# Altium PCB LimeNet-Micro_2v0.PcbDoc (part 7 of 11)
Units mm, origin at the board's own origin, x right, y up, seen from the top; angles counter-clockwise.
Board outline 75 x 143 mm, 6 copper layers (Top, L2, L3, L4, L5, Bottom), stack 1.583 mm thick; 781 components, 551 nets, 3551 pads, 1336 vias.
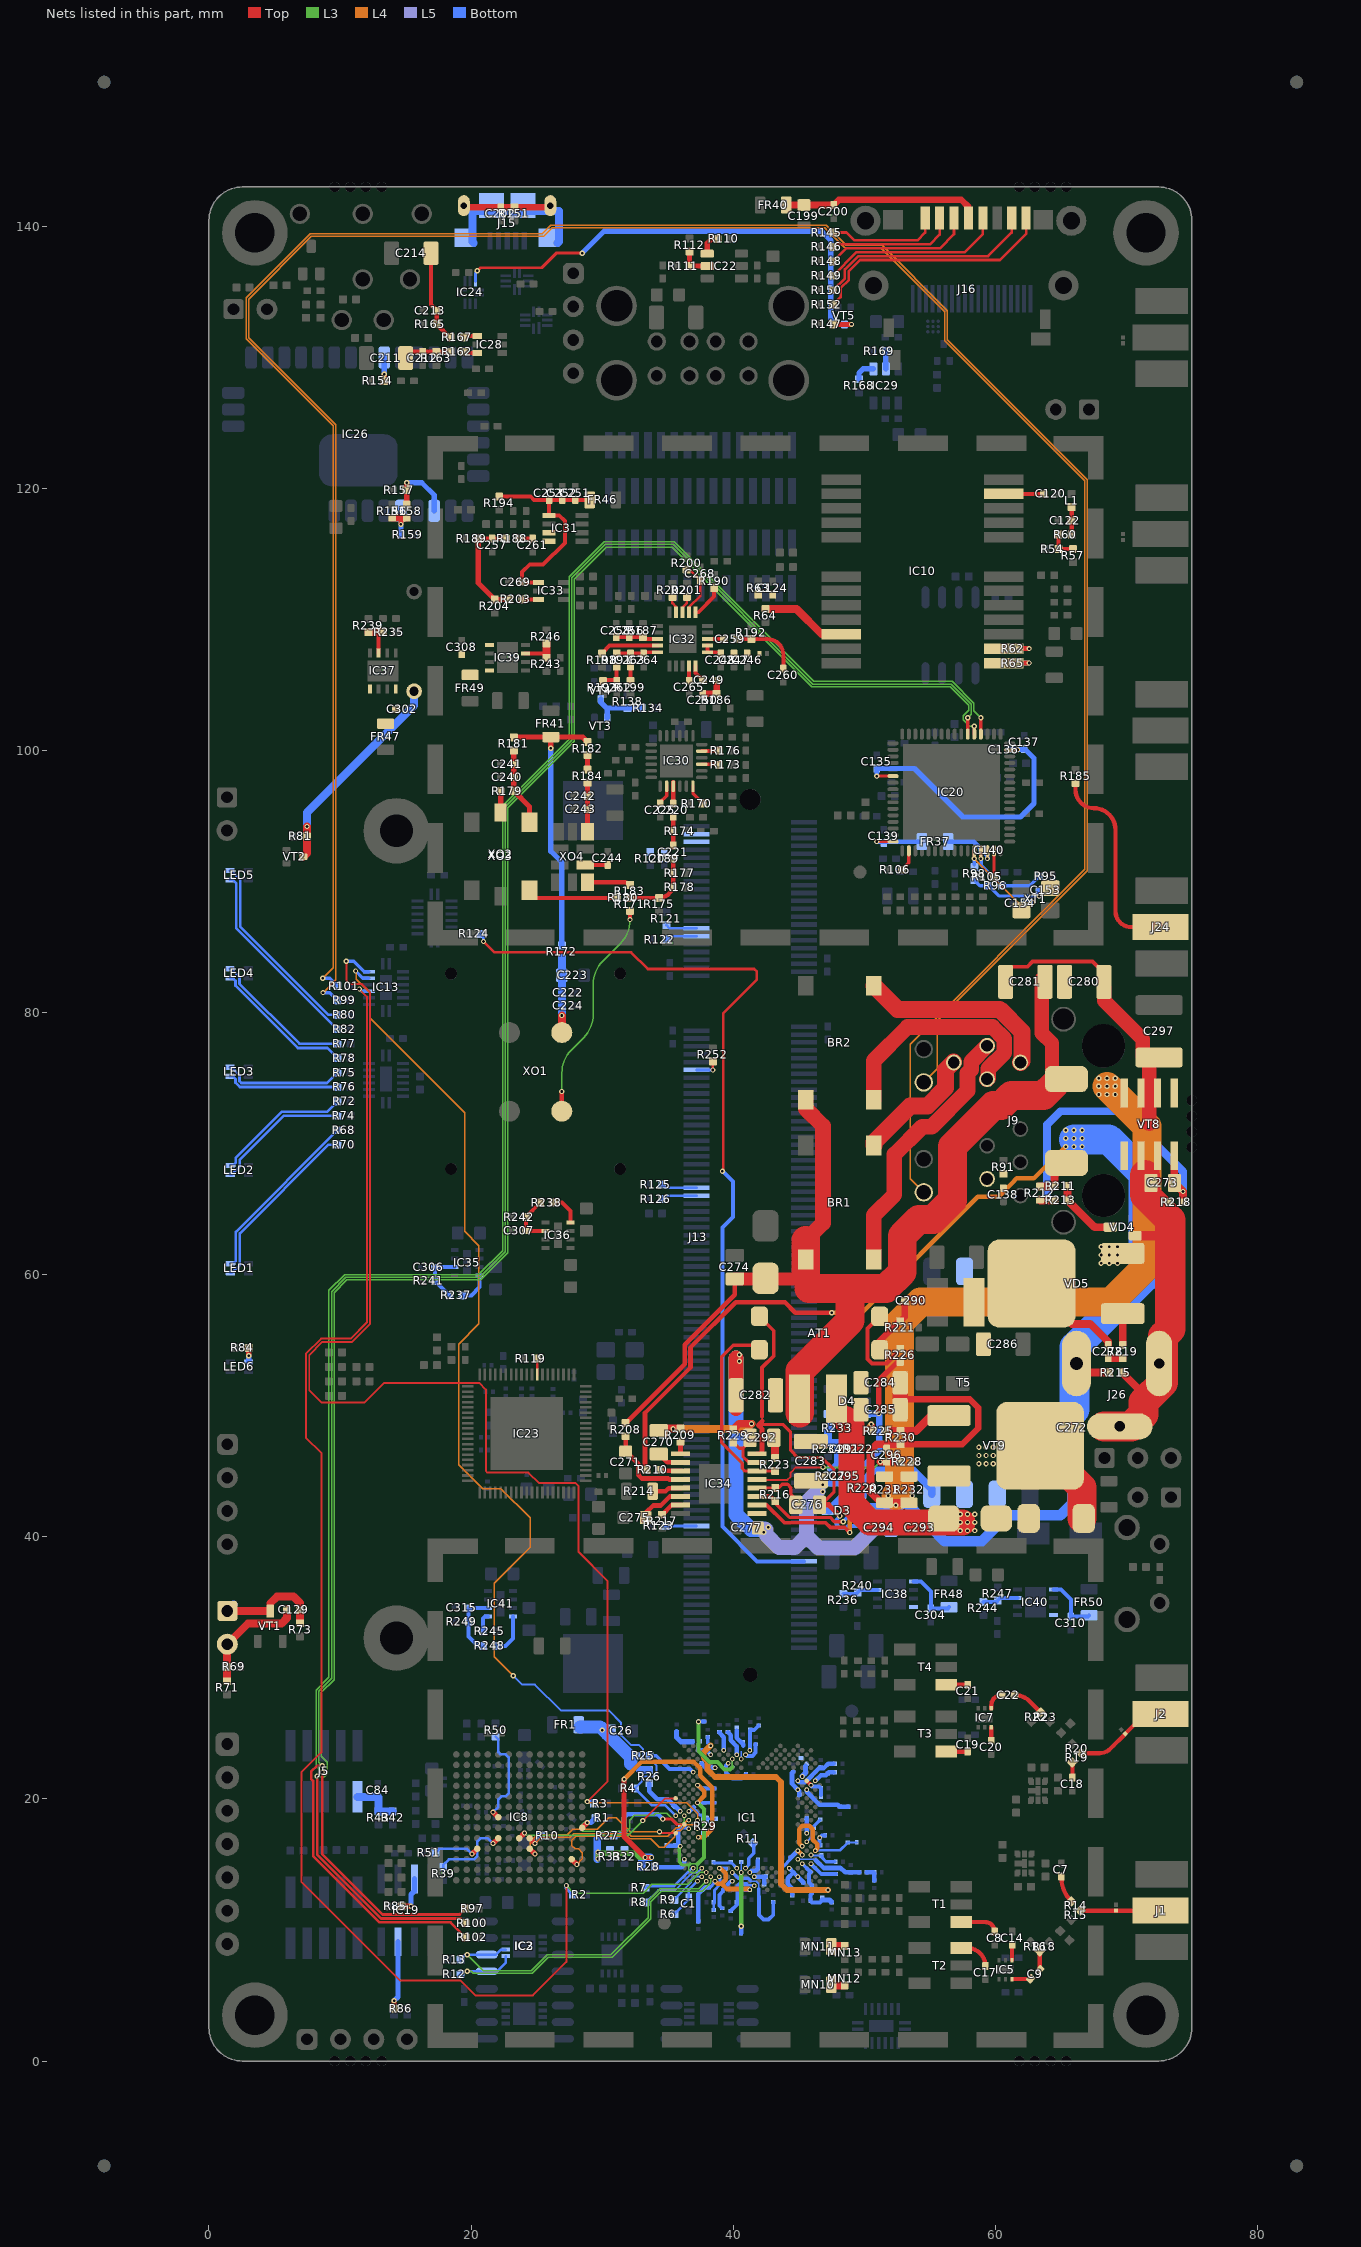
[diagram p11: the nets of this part, all layers, seen from the top]

## Via types
v1: diameter 0.4, hole 0.2, Top to Bottom, tented both sides, 1190 vias
v2: diameter 0.35, hole 0.2, Top to Bottom, tented both sides, 98 vias
v3: diameter 0.5, hole 0.2, Top to Bottom, tented bottom, 25 vias
v4: diameter 0.5, hole 0.2, Top to Bottom, tented both sides, 12 vias
v5: diameter 0.8, hole 0.4, Top to Bottom, tented both sides, 5 vias
v6: diameter 0.4, hole 0.2, Top to Bottom, tented top, 4 vias
v7: diameter 0.4, hole 0.2, Top to Bottom, tented bottom, 2 vias

## Nets (pads, with @x,y where several pads share a name; then routed paths per layer and width w, separated by ;. In a path a pad name is that pad's centre, name@x,y a point inside that pad or via, vN(x,y) a via of type N, cw(c..) or ccw(c..) an arc to the next point about the centre after c; other vN are vias at no path point) (continued)
LMS_FCLK2: IC1.R29 IC8.M3 | length 14.3
  Top w0.4: IC8.M3@27.672,15.394 v1(28.072,14.994)
  L4 w0.1: v1(28.072,14.994) 28.497,15.419 28.497,15.894 28.197,16.194 27.947,16.194 27.697,16.444 27.697,16.844 27.997,17.144 31.931,17.144 32.123,16.952 33.714,16.952 34.372,16.294 34.722,16.294 35.556,17.127 35.556,17.41 35.729,17.583 35.971,17.583 36.429,18.041 37.158,18.041 37.278,17.921 v2(37.278,17.716)
LMS_I2C_SCL: IC1.C27 IC2.6 IC3.6 R13.2 | length 26.1
  L3 w0.1: v1@19.71,8.125 v1(19.7,8.115) 20.92,6.895 24.587,6.895 25.817,8.125 30.675,8.125 33.5,10.95 33.5,12.225 34.425,13.15 37.374,13.15 v2(37.944,13.72)
  Bottom w0.2: R13.2@19.2,7.74 19.575,8.115 v1(19.7,8.115) IC3.6@21.2,8.115 21.89,8.115 22.275,8.5 IC2.6@22.65,8.5
LMS_I2C_SDA: IC1.D26 IC2.5 IC3.5 R12.2 | length 27
  L3 w0.1: v1(19.7,6.845) 19.997,6.845 20.147,6.695 24.67,6.695 25.9,7.925 30.758,7.925 33.7,10.867 33.7,12.142 34.508,12.95 37.634,12.95 38.277,13.593 v2(38.277,14.053)
  Bottom w0.2: R12.2@19.2,6.62 19.425,6.845 v1(19.7,6.845) IC3.5@21.2,6.845 21.97,6.845 22.65,7.525 IC2.5@22.65,8
LMS_MCLK1: IC1.AB34 IC8.G5 | length 13.3
  Top w0.15: v1(33.097,18.344) 34.8,20.047 IC1.AB34@35.613,20.047
  Top w0.4: IC8.G5@23.672,16.994 v1(24.072,17.394)
  L3 w0.1: v1(24.072,17.394) 24.222,17.244 31.997,17.244 v1(33.097,18.344)
LMS_MCLK2: IC1.P34 IC8.H4 | length 14
  Top w0.15: v1(34.372,17.502) 34.491,17.383 IC1.P34@35.613,17.383
  Top w0.4: IC8.H4@24.472,16.194 v1(24.872,15.794)
  L4 w0.1: v1(24.872,15.794) 24.522,16.144 24.522,16.739 25.058,17.275 27.348,17.275 27.773,17.7 29.625,17.7 30.5,18.575 31.066,18.575 32.139,17.502 v1(34.372,17.502)
LMS_RESET: IC1.E27 IC13.4 R2.1 | length 116.7
  Top w0.15: v1(11.475,81.8) 12.05,81.225 12.05,56.354 10.82,55.123 8.548,55.123 7.4,53.975 7.4,47.575 8.575,46.4 8.575,23.558 7.05,22.033 7.05,13.664 14.564,6.15 19.175,6.15 20.325,5 24.714,5 27.272,7.558 v1(27.272,13.394)
  L3 w0.1: v1(27.272,13.394) 27.847,12.819 33.144,12.819 33.8,13.475 36.55,13.475 37.461,14.386 v2(37.944,14.386)
  Bottom w0.25: v1(11.475,81.8) 11.65,81.625 IC13.4@12.208,81.625
  Bottom w0.3: v1(27.272,13.394) 27.272,13.194 R2.1@27.772,12.694
LMS_RXEN: IC1.V34 IC13.6 R4.2 | length 86
  L4 w0.1: v1(11.185,83.175) 11.225,83.135 11.225,82.545 12.3,81.47 12.3,79.575 19.5,72.375 19.5,63.305 20.6,62.205 20.6,56.25 19.05,54.7 19.05,45.497 20.872,43.675 22.272,43.675 24.5,41.447 24.5,39.198 21.775,36.473 21.775,30.85 v1(23.225,29.4)
  Bottom w0.15: v1(23.225,29.4) 23.9,28.725 24.871,28.725 26.846,26.75 30.493,26.75 31.45,25.793 31.45,24.855 32.182,24.123 32.777,24.123 33.122,23.778 33.122,22.944 33.316,22.75 33.925,22.75 34.15,22.525 34.15,21.897 33.947,21.694 33.225,21.694 33.031,21.5 33.031,21.328 R4.2@32.497,20.794
  Bottom w0.2: R4.2@32.497,20.794 33.772,19.519 34.809,19.519 v2(35.613,18.715)
  Bottom w0.25: v1(11.185,83.175) 11.735,82.625 IC13.6@12.208,82.625
LMS_TXEN: IC1.U29 IC13.7 R3.2 | length 103.2
  Top w0.15: v1(10.475,83.925) 10.475,82.475 10.775,82.175 11.675,82.175 12.3,81.55 12.3,56.25 10.923,54.873 8.652,54.873 7.65,53.871 7.65,51.178 8.588,50.24 11.855,50.24 13.365,51.75 20.478,51.75 20.605,51.75 21.125,51.23 21.125,45.025 21.25,44.9 24.379,44.9 25.186,44.093 27.982,44.093 28.2,43.875 28.2,38.84 30.4,36.64 30.4,21.322 v1(28.872,19.794)
  L4 w0.1: v1(28.872,19.794) 28.96,19.706 36.443,19.706 37.278,18.871 v2(37.278,18.382)
  Bottom w0.25: v1(10.475,83.925) 11.036,83.925 11.836,83.125 IC13.7@12.208,83.125
  Bottom w0.3: v1(28.872,19.794) R3.2@29.372,19.794
LMS_TXNRX1: IC1.V32 IC8.N6 R1.1 | length 12
  Top w0.4: IC8.N6@28.472,17.794 v1(28.872,18.194)
  L3 w0.1: v1(28.872,18.194) 28.597,18.194 28.372,17.969 28.372,17.669 28.522,17.519 31.872,17.519 32.097,17.744 32.097,18.389 32.452,18.744 33.922,18.744 34.072,18.894 34.922,18.894 35.759,18.057 36.085,18.057 36.271,18.243 36.271,18.707 v2(36.279,18.715)
  Bottom w0.4: v1(28.872,18.194) 29.147,18.194 R1.1@29.497,18.544
LMS_TXNRX2: IC1.U31 IC8.H5 R10.1 | length 14
  Top w0.4: IC8.H5@24.472,16.994 v1(24.872,16.594)
  L4 w0.1: v1(24.872,16.594) 25.353,17.075 27.581,17.075 27.85,17.344 32.014,17.344 32.206,17.152 35.015,17.152 35.646,17.783 35.888,17.783 36.487,18.382 v2(36.612,18.382)
  Bottom w0.15: v2@36.595,18.365 v2(36.612,18.382)
  Bottom w0.3: v1(24.872,16.594) 24.872,16.744 R10.1@25.322,17.194
NetAT1_1: AT1.1 C290.2 R221.2 | length 4.6
  Top w0.5: AT1.1@51.178,54.28 51.178,54.943 52.685,56.45 R221.2@52.745,56.45 53.1,56.805 C290.2@53.1,58.025
NetAT1_2: AT1.2 R226.2 | length 6.8
  Top w0.3: AT1.2@51.178,56.82 50.254,55.896 50.254,53.561 50.59,53.225 51.686,53.225 52.745,54.283 R226.2@52.745,54.35
NetC1_1: C1.1 IC1.C29 R6.1 | length 3.2
  Bottom w0.2: R6.1@35.507,11.224 36.603,12.32 36.603,13.045 v2(37.278,13.72)
NetC7_1: C7.1 R14.1 | length 2.1
  Top w0.325: C7.1@65.05,14.075 65.05,13.976 ccw(c67.586,13.976) R14.1@65.793,12.182 R14.1@65.8,12.189
NetC8_2: C8.2 T1.3 | length 3
  Top w0.325: T1.3@57.391,10.604 59.221,10.604 cw(c59.221,9.875) C8.2@59.95,9.875
NetC9_1: C9.1 R16.1 R18.1 | length 1.4
  Top w0.325: R18.1@63.393,8.368 63.393,6.996 C9.1@63.407,6.982
NetC9_2: C9.2 IC5.3 | length 1.4
  Top w0.325: IC5.3@61.325,6.25 C9.2@62.7,6.25
NetC14_2: C14.2 IC5.4 | length 1.2
  Top w0.325: IC5.4@61.275,7.7 61.275,8.873 C14.2@61.277,8.875
NetC17_2: C17.2 T2.1 | length 2.6
  Top w0.325: T2.1@57.401,8.619 57.881,8.619 cw(c57.881,7.25) C17.2@59.25,7.25
NetC18_1: C18.1 R19.1 | length 1.2
  Top w0.325: R19.1@65.866,22.783 65.883,22.783 C18.1@65.883,21.625
NetC19_2: C19.2 T3.3 | length 1.6
  Top w0.325: T3.3@56.271,23.608 57.881,23.608 C19.2@57.881,23.625
NetC20_2: C20.2 IC7.3 | length 1
  Top w0.325: C20.2@59.7,24.439 IC7.3@59.7,25.452
NetC21_2: C21.2 T4.3 | length 1.6
  Top w0.325: T4.3@56.271,28.708 57.9,28.708 C21.2@57.9,28.7
NetC22_1: C22.1 R22.1 R23.1 | length 2.5
  Top w0.325: C22.1@61.475,27.925 cw(c61.475,26.324) 62.607,27.456 R23.1@63.466,26.597
NetC22_2: C22.2 IC7.4 | length 1.5
  Top w0.325: IC7.4@59.7,26.902 59.7,27.15 cw(c60.475,27.15) C22.2@60.475,27.925
NetC25_1: C25.1 IC1.D24 R24.1 | length 2.7
  Bottom w0.22: R24.1@38.512,11.534 C25.1@38.512,12.049 ; C25.1@38.562,12.049 38.562,13.029 38.995,13.462 38.995,14.001 v2(38.943,14.053)
NetC26_2: C26.2 FR1.1 R25.1 R26.1 R27.1 R28.1 R29.1 | length 33.8
  Top w0.4: v1(31.675,21.5) 31.675,17.125 v1(33.275,15.525) v1(33.775,15.525)
  L3 w0.4: v1(29.675,15.425) v1(29.675,15.925) 29.75,15.85 32.52,15.85 32.845,15.525 v1(33.275,15.525) v1(33.775,15.525)
  L4 w0.35: v1(31.675,21.5) 33,22.825 36.975,22.825 37.475,22.325 37.475,21.775 38.4,20.85 38.4,17.725 37.744,17.069 v2(37.322,17.069)
  Bottom w0.6: v1@29.625,15.425 29.625,16.95 R27.1@29.797,17.122 ; 32.897,22.194 R26.1@33.597,22.194 ; R28.1@33.017,14.839 33.017,15.267 v1(33.275,15.525) 33.3,15.55 v1@33.675,15.55
  Bottom w1: FR1.1@28.3,25.5 29.85,25.5 30.379,24.972 32.184,23.166 32.184,22.681
  other v1: 30,25.25
NetC27_1: C27.1 C28.1 IC1.W31 R29.2 | length 2.6
  Bottom w0.2: R29.2@37.882,18.424 37.957,18.499 C28.1@38.577,18.499
  Bottom w0.25: C27.1@36.98,19.351 36.98,19.245 37.456,18.769 37.562,18.769 37.882,18.449 R29.2@37.882,18.424
  Bottom w0.3: v2(36.612,19.048) 36.677,19.048 C27.1@36.98,19.351
NetC29_1: C29.1 C30.1 IC1.H32 R28.2 | length 2.7
  Bottom w0.35: R28.2@34.092,14.839 34.092,14.789 C29.1@34.947,14.789 C30.1@35.822,14.789 36.067,14.789 36.279,15.001 v2(36.279,15.385)
NetC31_1: C31.1 C32.1 IC1.T32 R27.2 | length 6.9
  Top w0.11: 35.692,18.049 IC1.T32@36.279,18.049
  Top w0.25: v1@34.672,18.469 35.272,18.469 35.692,18.049
  Bottom w0.35: R27.2@30.872,17.219 31.292,17.219 31.667,17.594 31.667,18.564 31.947,18.844 34.247,18.844 v1(34.622,18.469)
NetC33_1: C33.1 C34.1 IC1.W33 R26.2 | length 3.6
  Bottom w0.35: R26.2@33.597,21.194 33.597,20.58 34.202,19.975 C34.1@34.941,19.975 35.019,19.975 v2(35.946,19.048)
NetC35_1: C35.1 C36.1 IC1.AH30 R25.2 | length 3.8
  Bottom w0.3: R25.2@33.622,23.294 34.13,23.294 35.15,22.274 C36.1@35.552,22.274 C35.1@36.322,22.274 36.716,22.274 v2(36.945,22.045)
NetC37_1: C37.1 FR2.1 IC1.G3 | length 2.2
  Bottom w0.3: v2(45.936,15.052) 45.936,15.037 46.718,14.254 FR2.1@47.831,14.254
NetC38_1: C38.1 FR9.1 IC1.E21 | length 7.1
  Bottom w0.11: 41.353,13.743 41.379,13.717 41.744,13.717 41.95,13.51 41.95,13.125
  Bottom w0.25: v2(39.942,14.386) 40.39,13.937 41.158,13.937 ; 41.133,13.937 41.328,13.743
  Bottom w0.3: 41.95,13.125 41.95,12.575 41.961,12.564 41.961,11.146 42.325,10.783 42.697,10.783 43.056,11.141 FR9.1@43.056,12.123
NetC39_1: C39.1 FR8.1 IC1.D16 | length 1.3
  Bottom w0.35: v2@41.606,14.055 FR8.1@42.484,14.055 ; C39.1@42.384,13.56 FR8.1@42.384,13.98
  other v2: 41.607,14.053
NetC40_1: C40.1 FR7.1 IC1.E17 | length 1.4
  Bottom w0.35: v2(41.274,14.386) 41.394,14.505 41.709,14.505 41.876,14.673 C40.1@41.876,15.303
NetC41_1: C41.1 FR6.1 IC1.AK22 | length 2.6
  Bottom w0.3: v2(39.609,22.711) 39.444,22.546 39.444,22.027 39.502,21.969 39.93,21.541 40.639,21.541 FR6.1@40.992,21.894
NetC42_1: C42.1 FR5.1 IC1.AM18 | length 1.6
  Bottom w0.31: v2(40.941,23.377) 41.044,23.274 41.457,23.274 41.707,23.524 FR5.1@41.707,24.169
NetC43_1: C43.1 FR4.2 IC1.AE3 IC1.AF4 | length 1.9
  Top w0.3: IC1.AF4@45.603,21.379 v2(45.936,21.046)
  Bottom w0.3: v2(45.936,21.046) 46.029,20.953 46.551,20.953 C43.1@46.701,20.803 FR4.2@46.701,20.278
NetC44_1: C44.1 FR3.2 IC1.N1 | length 1.1
  Bottom w0.3: C44.1@46.602,16.449 v2(46.602,17.05) 46.764,17.212 FR3.2@47.025,17.212
NetC45_1: C45.1 FR11.1 IC1.AM26 | length 1.8
  Bottom w0.25: C45.1@37.312,23.744 37.312,24.209 FR11.1@37.447,24.344
  Bottom w0.3: C45.1@37.312,23.744 37.91,23.744 v2(38.277,23.377)
NetC46_1: C46.1 FR10.2 IC1.H6 | length 5.1
  Bottom w0.11: v2(44.937,15.385) 46.239,15.385 46.313,15.311
  Bottom w0.35: 46.313,15.311 46.896,14.728 48.176,14.728 48.551,14.403 FR10.2@49.626,14.403
NetC47_1: C47.1 FR11.2 R31.2 | length 1.8
  Bottom w0.4: R31.2@35.682,25.119 35.682,24.709 36.037,24.354 FR11.2@36.887,24.354
NetC48_1: C48.1 FR10.1 R30.1 | length 1.2
  Bottom w0.35: FR10.1@50.186,14.403 50.676,14.403 50.772,14.307 R30.1@50.772,13.774
NetC49_1: C49.1 C50.1 C56.1 C57.1 C58.1 C59.1 C60.1 C61.1 IC1.AA29 IC1.AE29 IC1.L33 IC1.R31 R32.2 R33.2 | length 17.1
  L3 w0.11: 36.61,14.95 36.61,14.565 36.825,14.35 37.075,14.35 37.275,14.55 37.275,15.025 ; 36.712,15.052 37.302,15.052
  L3 w0.25: v2(35.946,16.384) 35.875,16.313 35.875,15.2 36.125,14.95 36.61,14.95 36.712,15.052
  L3 w0.3: 37.275,15.025 37.775,15.525 37.775,19.217 v2(37.278,19.714)
  L4 w0.35: v2(37.278,19.714) 37.8,20.236 37.8,20.575 37.329,21.046 v2(37.278,21.046)
  Bottom w0.23: C61.1@35.956,17.773 36.555,17.773 v2(36.612,17.716)
  Bottom w0.3: v2(37.278,21.046) 37.52,20.804 C57.1@38.557,20.804 ; v2@37.288,19.704 C59.1@37.782,19.704 C58.1@38.557,19.704
  Bottom w0.35: C49.1@34.947,16.424 35.597,16.424 v2@35.906,16.424 ; C61.1@35.922,17.694 35.807,17.579 35.807,16.523 v2@35.906,16.424 ; v2(35.946,16.384) v2@35.906,16.424
NetC51_1: C51.1 C52.1 C53.1 FR14.1 IC1.A17 IC1.C25 IC1.F24 | length 9.2
  L4 w0.35: v2(38.61,13.72) 38.805,13.525 39.125,13.525 ; v2(38.943,14.719) 39.031,14.719 39.425,14.325 39.425,13.825 39.125,13.525 ; v2(41.274,13.054) 41.203,13.125 39.525,13.125 39.125,13.525
  Bottom w0.25: C51.1@38.232,13.254 38.61,13.632 v2(38.61,13.72)
  Bottom w0.3: v2(38.943,14.719) 38.979,14.683 C52.1@39.406,14.683
  Bottom w0.35: FR14.1@37.347,10.644 37.347,12.744 37.857,13.254 C51.1@38.132,13.254 ; C53.1@40.76,13.054 v2(41.274,13.054)
NetC54_2: C54.2 FR13.1 IC1.M4 | length 2.1
  Bottom w0.17: v2(45.603,16.717) 45.966,17.08 45.966,17.588 45.986,17.608
  Bottom w0.25: 46.006,17.588 46.006,17.768 FR13.1@46.63,18.392
NetC55_1: C55.1 FR12.1 IC1.AL21 | length 7.2
  L3 w0.11: 39.942,22.442 v2(39.942,23.044)
  L3 w0.3: v1(37.35,25.89) 37.35,23.65 38.2,22.8 38.431,22.8 38.434,22.803 38.797,22.803 39.35,22.25 39.75,22.25 39.942,22.442
  Bottom w0.11: C55.1@39.924,22.417 39.939,22.432 39.939,23.041 v2(39.942,23.044)
  Bottom w0.3: v1(37.35,25.89) FR12.1@37.8,25.89
NetC62_1: C62.1 IC1.G5 R34.1 | length 2.1
  Bottom w0.3: v2(45.27,15.052) C62.1@45.909,14.413 45.775,14.279 45.775,13.861 45.78,13.856 45.78,13.634 R34.1@46.006,13.408
NetC63_1: C63.1 FR17.1 IC1.P4 | length 1.1
  Bottom w0.35: v2(45.603,17.383) 45.606,17.386 C63.1@45.606,17.903 FR17.1@45.606,18.523
NetC64_1: C64.1 FR28.1 IC1.D6 IC1.F8 | length 3.6
  Bottom w0.35: v2(44.271,14.719) 44.604,14.386 ; FR28.1@44.522,12.674 44.522,12.993 44.522,13.156 44.179,13.499 44.179,13.508 44.154,13.533 44.154,13.936 44.604,14.386 ; C64.1@45.355,13.603 45.355,13.635 44.604,14.386
  other v2: 44.937,14.053
NetC65_1: C65.1 FR27.1 IC1.B16 | length 3.6
  Bottom w0.17: 41.006,13.503 41.095,13.414 41.58,13.414 v2(41.607,13.387)
  Bottom w0.2: v2(41.607,13.387) v2@41.649,13.345
  Bottom w0.3: FR27.1@39.806,11.433 40.311,11.938 40.311,12.078 40.311,13.338 40.476,13.503 41.006,13.503
NetC66_1: C66.1 FR26.1 IC1.E19 | length 5.5
  L3 w0.35: v1@40.583,10.275 40.608,10.3 v2(40.608,14.386)
  Bottom w0.11: v2(40.608,14.386) C66.1@40.608,15.199
  Bottom w0.35: FR26.1@40.605,9.75 v1@40.605,10.272
  other v1: 40.608,10.275
NetC67_2: C67.2 FR25.1 IC1.F20 | length 1.9
  Bottom w0.23: FR25.1@38.511,15.153 38.555,15.109 39.885,15.109 v2(40.275,14.719)
NetC68_1: C68.1 FR24.1 IC1.AJ25 | length 1.2
  Bottom w0.35: FR24.1@37.586,22.703 37.911,22.378 v2(38.61,22.378)
NetC69_1: C69.1 IC1.AP26 R35.1 | length 20.9
  L4 w0.45: v2@38.256,24.063 37.75,23.557 37.75,23.15 38.053,22.847 38.053,22.228 38.606,21.675 43.264,21.675 43.65,21.289 43.65,13.5 44.097,13.053 v1(47.231,13.053)
  Bottom w0.3: C69.1@38.057,24.719 38.057,24.263 v2(38.277,24.043) ; R35.1@46.786,13.053 v1(47.231,13.053)
NetC70_1: C70.1 FR22.1 IC1.AN23 | length 1.5
  Bottom w0.35: FR22.1@38.956,25.073 38.956,25.034 39.276,24.714 v2(39.276,23.71)
NetC71_1: C71.1 FR21.1 IC1.AM20 | length 2
  Bottom w0.35: FR21.1@39.606,25.073 39.806,24.873 39.806,24.478 40.281,24.003 C71.1@40.281,23.805 ; v2(40.275,23.377) 40.275,23.804 C71.1@40.277,23.805
NetC72_1: C72.1 FR20.1 IC1.AL19 | length 1.9
  Bottom w0.11: 40.607,23.649 v2(40.608,23.044)
  Bottom w0.35: 40.256,25.198 40.256,24.669 40.757,24.168 40.757,24.073
NetC73_1: C73.1 FR19.1 IC1.AG5 | length 0.8
  Bottom w0.4: v2@45.27,21.737 45.514,21.981 45.514,22.483
  other v2: 45.27,21.712
NetC74_2: C74.2 FR18.1 IC1.AD6 | length 2.1
  Bottom w0.35: FR18.1@44.581,22.073 44.487,21.979 44.487,21.163 v2(44.937,20.713) 45.031,20.619 C74.2@45.031,20.283
NetC75_1: C75.1 FR16.1 IC1.J3 | length 2.2
  Bottom w0.18: v2(45.936,15.718) 45.973,15.681 C75.1@46.779,15.681
  Bottom w0.25: C75.1@46.779,15.681 46.779,15.505 47.081,15.203 FR16.1@47.775,15.203
NetC76_2: C76.2 FR15.1 IC1.J5 IC1.K6 | length 2.3
  L4 w0.35: v2(44.937,16.051) v2(45.27,15.718)
  Bottom w0.25: FR15.1@43.656,14.908 43.886,14.908 44.356,15.378 C76.2@44.356,15.503
  Bottom w0.35: C76.2@44.356,15.503 44.389,15.503 v2(44.937,16.051)
NetC77_2: C77.2 FR23.1 R34.2 R35.2 | length 2.4
  Bottom w0.3: R34.2@46.006,12.798 45.886,12.678 C77.2@45.886,12.228 46.006,12.108 46.611,12.108 46.781,12.278
  Bottom w0.4: 46.781,12.278 47.347,12.278 FR23.1@47.5,12.125
NetC78_1: C78.1 FR29.1 IC1.K2 IC1.L5 | length 7.9
  L4 w0.35: v2(45.27,16.384) 45.025,16.629 45.025,17.7 45.275,17.95 45.8,17.95 46.075,17.675 46.075,16.881 46.4,16.556 46.4,16.182 v2(46.269,16.051)
  Bottom w0.17: C78.1@48.676,16.598 48.756,16.678 FR29.1@49.426,16.678
  Bottom w0.2: v2(46.269,16.051) v2@46.274,16.056
  Bottom w0.22: v2@46.274,16.081 48.159,16.081 C78.1@48.676,16.598
NetC79_1: C79.1 FR34.1 IC1.C21 | length 2.6
  Bottom w0.3: FR34.1@39.15,11.655 38.956,11.849 38.956,12.678 39.201,12.923 C79.1@39.201,12.978 39.201,13.096 39.824,13.72 v2(39.942,13.72)
NetC80_1: C80.1 FR33.1 IC1.AF6 | length 3.4
  Bottom w0.35: v2(44.937,21.379) 45.054,21.262 45.487,21.262 46.58,22.355 46.925,22.355 47.243,22.673 FR33.1@47.67,22.673
NetC81_1: C81.1 FR32.1 IC1.AF2 | length 1.7
  Bottom w0.35: v2(46.269,21.379) 46.699,21.809 47.079,21.809 C81.1@47.2,21.93 47.291,22.021 FR32.1@47.665,22.021
NetC82_1: C82.1 FR31.1 IC1.AD4 | length 3.8
  Bottom w0.35: v2(45.603,20.713) 45.603,20.537 46.571,19.569 47.979,19.569 C82.1@48.135,19.413 FR31.1@48.782,19.413
NetC83_1: C83.1 FR30.1 IC1.AN17 | length 2.3
  Bottom w0.3: v2(41.274,23.71) 41.274,25.199 41.325,25.25 41.605,25.25 FR30.1@41.95,25.595
NetC84_2: C84.2 J5.10 R42.2 R43.2 | length 3.8
  Bottom w0.6: J5.10@11.325,20.15 C84.2@12.875,20.15 12.925,20.1 R43.2@12.925,19.05 R42.2@14.025,19.05
NetC120_2: C120.2 IC10.11 | length 3.1
  Top w0.325: IC10.11@60.653,119.575 C120.2@63.728,119.575
NetC122_1: C122.1 L1.2 R60.2 | length 2.1
  Top w0.325: R60.2@65.828,116.475 C122.1@65.828,117.525 L1.2@65.828,118.575
NetC124_1: C124.1 IC10.22 R63.1 R64.1 | length 6.6
  Top w0.6: R64.1@42.465,110.8 44.836,110.8 46.761,108.875 IC10.22@48.253,108.875
NetC129_1: C129.1 J8.2 R69.2 R71.2 | length 8.9
  Top w0.6: R71.2@1.375,28.975 R69.2@1.375,30.075 J8.2@1.375,31.807 ; J8.2@1.4,31.807 2.968,33.375 5.525,33.375 5.95,33.8 C129.1@5.95,34.45
NetC129_2: C129.2 J8.1 R73.2 VT1.D | length 8.7
  Top w0.6: J8.1@1.4,34.347 1.422,34.325 VT1.D@4.675,34.325 4.675,34.925 5.2,35.45 6.45,35.45 6.95,34.95 C129.2@6.95,34.45 R73.2@6.95,33.55
  Bottom w0.6: J8.1@1.4,34.347 J8.1@1.875,34.822
NetC135_1: C135.1 C136.2 C137.1 IC20.15 IC20.38 | length 21.9
  Top w0.25: v1(50.95,98.05) IC20.38@52.2,98.05 ; IC20.15@61.1,100.05 v1(61.7,100.05)
  Bottom w0.35: v1(50.95,98.05) C135.1@50.95,98.625 ; C136.2@61.15,100.075 C137.1@62.25,100.075
  Bottom w0.4: C135.1@50.95,98.625 53.825,98.625 57.525,94.925 61.925,94.925 62.95,95.95 62.95,99.414 62.289,100.075 C137.1@62.25,100.075
NetC138_2: C138.2 J9.P2 R91.2
NetC139_1: C139.1 FR37.2 IC20.48 | length 4.7
  Top w0.25: v1(50.95,93.05) IC20.48@52.2,93.05
  Bottom w0.35: v1(50.95,93.05) FR37.2@54.4,93.05
NetC140_2: C140.2 FR37.1 IC20.62 | length 4.3
  Top w0.25: v1(59.4,91.75) IC20.62@59.4,92.35
  Bottom w0.35: FR37.1@56.4,93.05 58.35,93.05 C140.2@59.025,92.375 59.4,92 v1(59.4,91.75)
NetC153_2: C153.2 R96.2 R98.1 XT1.1 | length 7
  Top w0.325: v1(63.35,88.9) 63.95,89.5 XT1.1@64.2,89.5
  Bottom w0.25: R98.1@58.4,90.1 58.825,89.675 R96.2@59.5,89.675 60.275,88.9 v1(63.35,88.9)
  Bottom w0.4: v1(63.35,88.9) C153.2@63.35,89.35
NetC154_2: C154.2 IC20.60 R98.2 XT1.3 | length 8.5
  Top w0.25: v1(58.4,91.75) IC20.60@58.4,92.35
  Top w0.325: XT1.3@62,87.8 62.25,87.8 v1(62.85,88.4)
  L4 w0.1: v1(58.4,91.75) 61.75,88.4 v1(62.85,88.4)
  Bottom w0.25: R98.2@58.4,91.275 v1(58.4,91.75)
  Bottom w0.4: C154.2@62.4,88.4 v1(62.85,88.4)
NetC189_1: C189.1 J13.4 J13.6 R120.1
NetC199_2: C199.2 C200.1 FR40.1 J16.4 | length 15.1
  Top w0.5: FR40.1@44.05,141.625 C199.2@45.4,141.625 C200.1@47.675,141.625 48.075,142.025 57.4,142.025 57.95,141.475 J16.4@57.95,140.625
NetC202_1: C202.1 J15.6 R151.1 | length 19.1
  Top w0.5: J15.6@19.45,141.025 J15.6@19.45,141.45 ; J15.6@19.45,141.5 J15.6@19.45,141.45 ; J15.6@26.05,141.075 J15.6@26.05,141.45 ; J15.6@26.05,141.5 J15.6@26.05,141.45 ; J15.6@19.45,141.45 C202.1@22.25,141.45 R151.1@23.3,141.45 J15.6@26.05,141.45
  Bottom w0.6: J15.6@20.2,138.725 20.1,138.825 20.1,141.175 26.7,141.175 26.7,138.825 J15.6@26.6,138.725
NetC211_2: C211.2 C212.1 R162.2 R163.2 | length 3.6
  Top w0.325: C211.2@15.006,129.95 15.481,130.425 C212.1@16.297,130.425 R162.2@18.447,130.425
NetC213_2: C213.2 C214.2 R165.1 R167.2 | length 7.1
  Top w0.325: C214.2@16.935,137.95 16.935,134.015 C213.2@17.375,133.575 R165.1@17.375,132.525 18.375,131.525 R167.2@18.447,131.525
NetC220_1: C220.1 IC30.21 | length 1.7
  Top w0.325: C220.1@35.425,95.95 IC30.21@35.425,97.6
NetC220_2: C220.2 C221.1 R174.2 | length 2.2
  Top w0.325: C221.1@35.425,92.75 C220.2@35.425,94.95
NetC221_2: C221.2 R171.1 R175.1 R177.1 R178.1 R180.1 R183.2 | length 5.8
  Top w0.325: R171.1@32.125,88.75 34.325,88.75 ccw(c34.325,89.85) 35.425,89.85 C221.2@35.425,91.75
NetC222_2: C222.2 C223.2 C224.1 R172.2 XO1.4 | length 5.6
  Top w0.6: XO1.4@26.925,78.475 v1(26.925,79.775)
  Bottom w0.6: v1(26.925,79.775) C224.1@26.925,80.525 C222.2@26.925,81.525 C223.2@26.925,82.85 R172.2@26.925,84.125
NetC225_2: C225.2 IC30.20 | length 1.5
  Top w0.25: C225.2@34.375,96 34.925,96.55 IC30.20@34.925,97.275
NetC240_2: C240.2 C241.2 R179.2 R181.1 XO2.5 XO3.4 | length 6